# Altium PCB 769BI_LTDC.PcbDoc (part 2 of 3)
Units mm, origin at the board's own origin, x right, y up, seen from the top; angles counter-clockwise.
Board outline 99 x 99 mm, 4 copper layers (Top Layer, GND, VCC_3, Bottom Layer), stack 0.778 mm thick; 232 components, 260 nets, 952 pads, 515 vias.
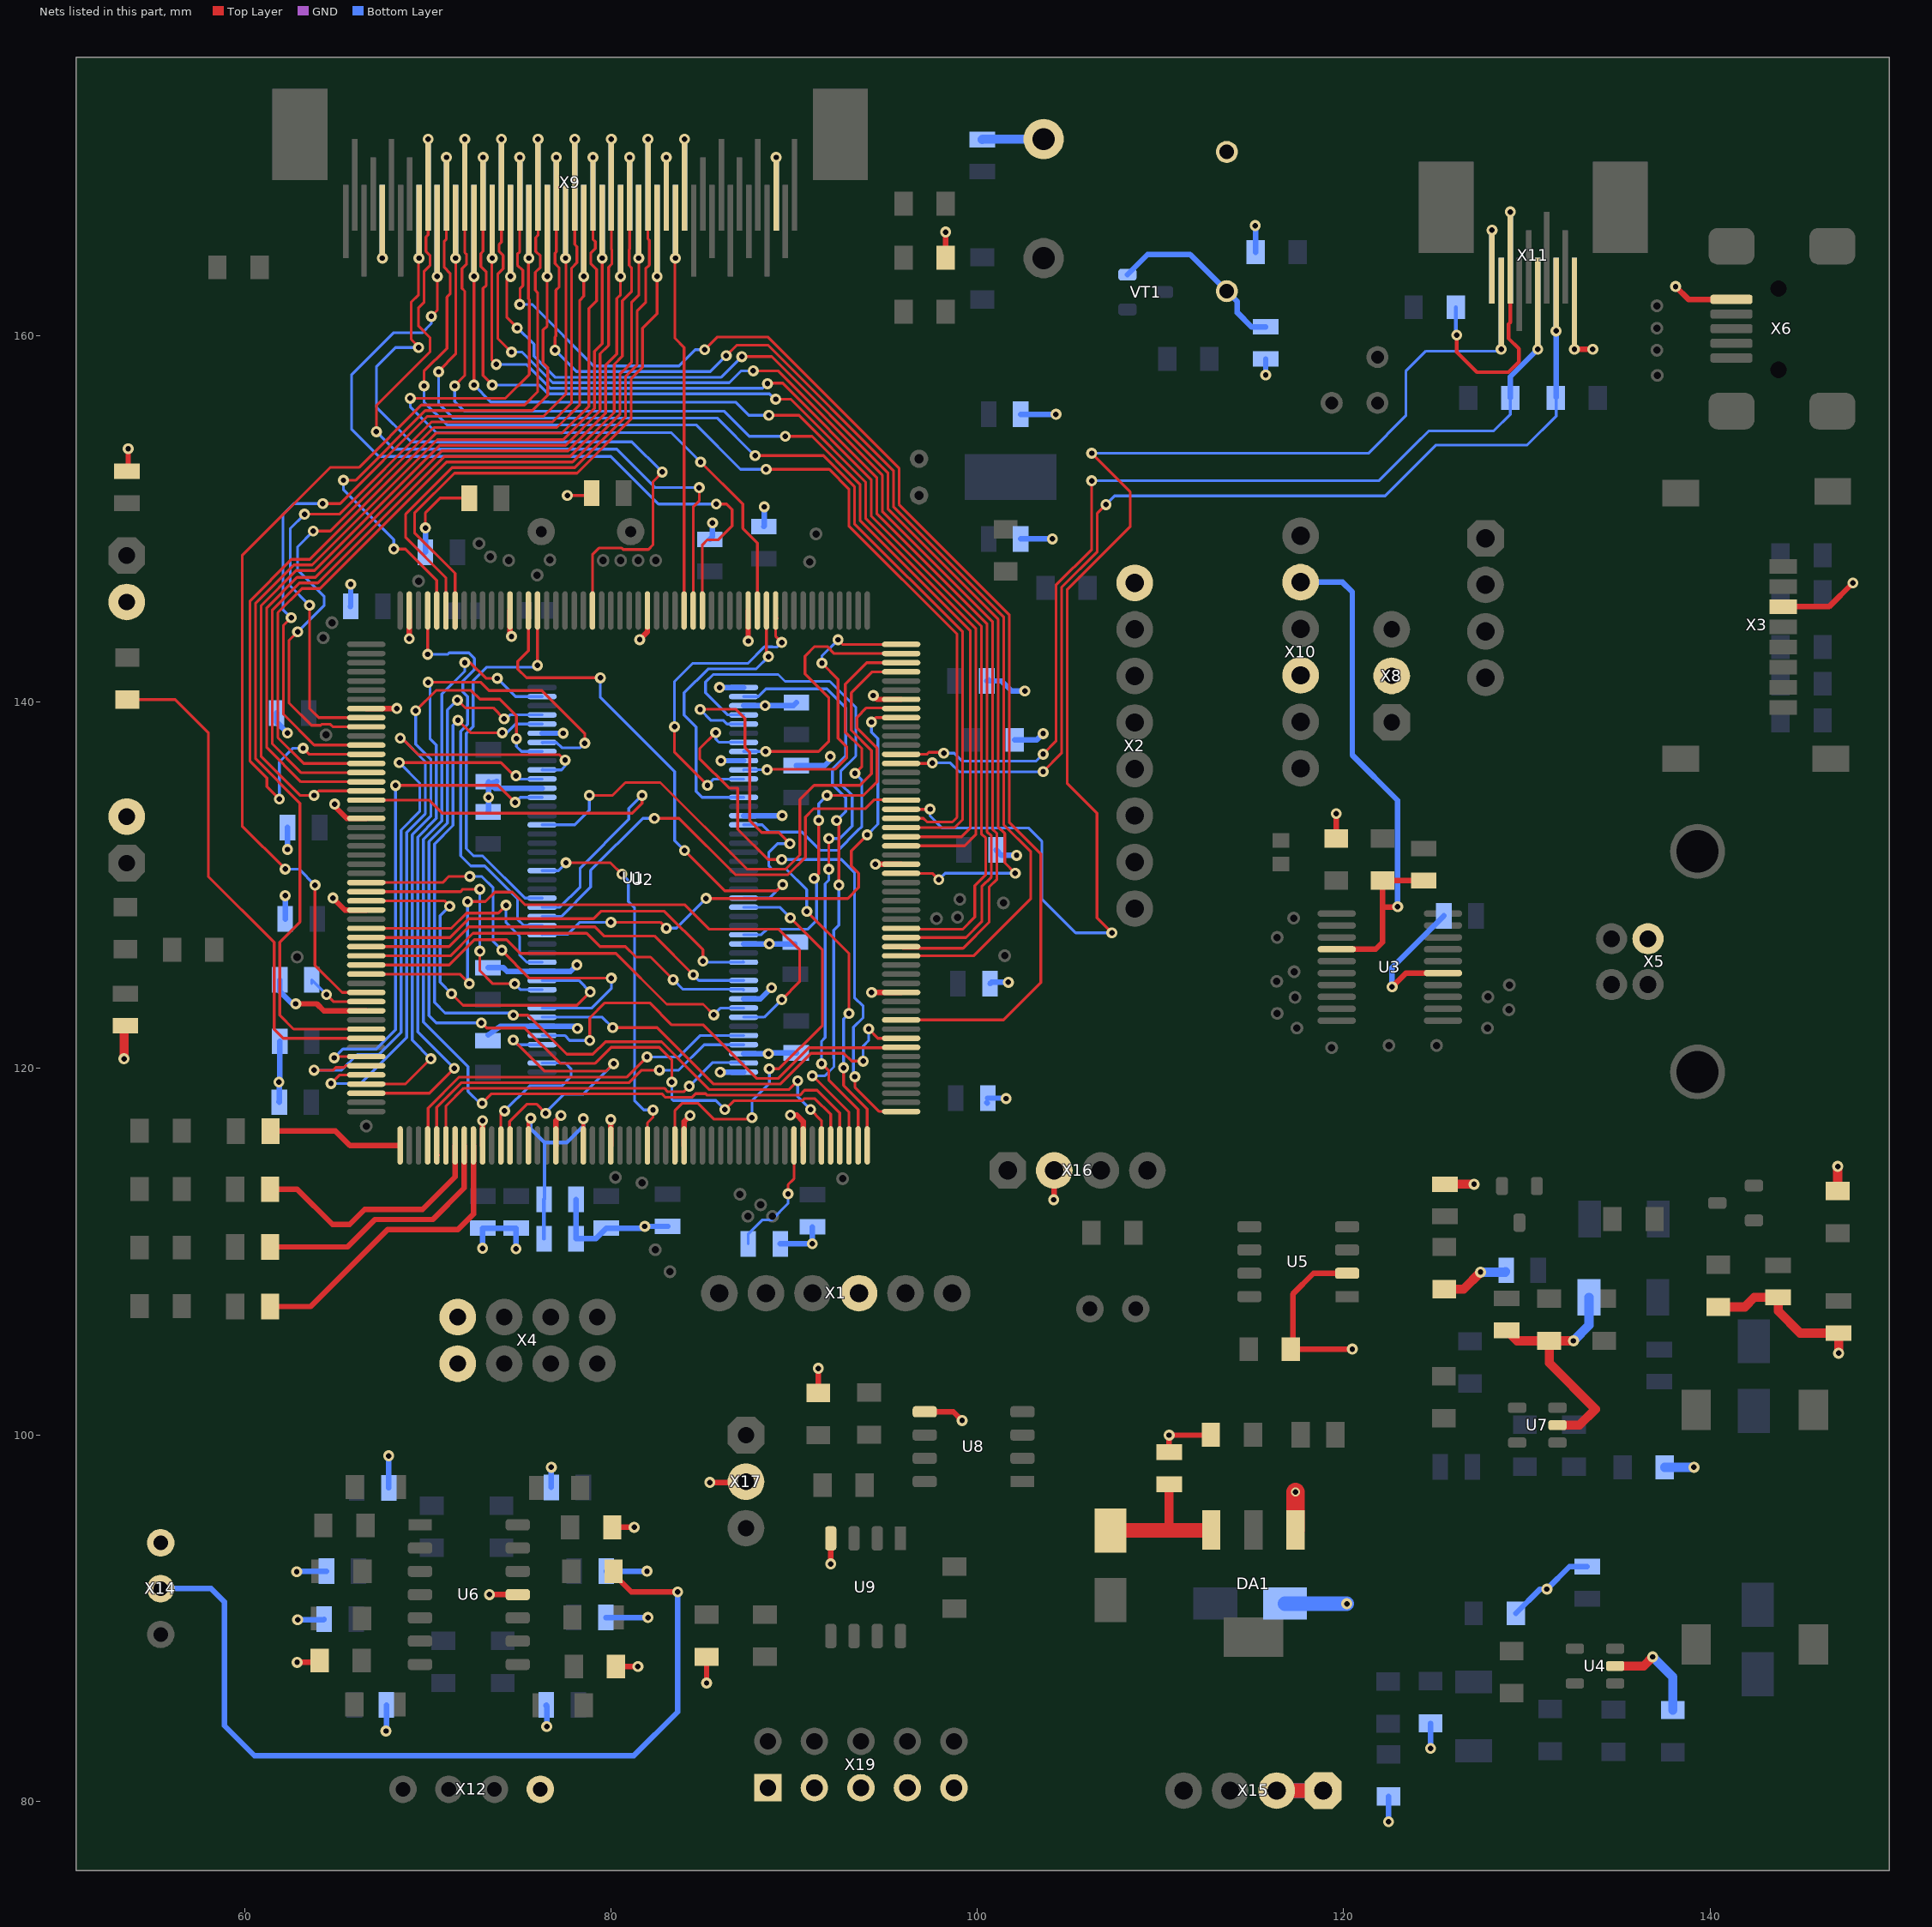
[diagram p4: the nets of this part, all layers, seen from the top]

## Via types
v1: diameter 0.6, hole 0.3, Top Layer to Bottom Layer, 509 vias
v2: diameter 3.5, hole 3.5, Top Layer to Bottom Layer, 4 vias
v3: diameter 0.5, hole 0.3, Top Layer to Bottom Layer, 2 vias

## Nets (pads, with @x,y where several pads share a name; then routed paths per layer and width w, separated by ;. In a path a pad name is that pad's centre, name@x,y a point inside that pad or via, vN(x,y) a via of type N, cw(c..) or ccw(c..) an arc to the next point about the centre after c; other vN are vias at no path point) (continued)
FMC_BA1: U1.132 U2.23 | length 20.7
  Top Layer w0.152: v1(77.551,131.225) 79.975,131.225 v1(80.6,130.6) ; U1.132@81.997,115.793 81.997,117.022 82.3,117.325 v1(82.3,117.725)
  Bottom Layer w0.152: U2.23@76.247,130.793 77.136,130.793 77.551,131.208 v1(77.551,131.225) ; v1(80.6,130.6) 80.95,130.25 80.95,129.1 81.3,128.75 81.3,118.223 81.798,117.725 v1(82.3,117.725)
FMC_D0: U1.116 U2.2 | length 8.5
  Top Layer w0.152: U1.116@73.997,115.793 73.997,117.472 v1(74.2,117.675)
  Bottom Layer w0.152: v1(74.2,117.675) 75.575,119.05 77.325,119.05 77.825,119.55 77.825,119.975 77.507,120.293 U2.2@76.247,120.293
FMC_D1: U1.117 U2.4 | length 16.8
  Top Layer w0.152: U1.117@74.497,115.793 74.472,115.818 74.472,117.097 75.425,118.05 75.94,118.05 v1(76.447,117.543) ; v1(74.672,121.543) 76.365,119.85 79.75,119.85 v1(80.15,120.25)
  Bottom Layer w0.152: v1(74.672,121.543) 74.922,121.293 U2.4@76.247,121.293 ; v1(76.447,117.543) 76.447,117.597 77.45,118.6 78.5,118.6 v1(80.15,120.25)
FMC_D2: U1.164 U2.5 | length 23.7
  Top Layer w0.152: v1(78.85,121.525) 78.85,122.75 79.675,123.575 82.125,123.575 83.325,122.375 85.05,122.375 87.978,119.447 89.121,119.447 90.803,121.129 95.809,121.129 95.821,121.117 U1.164@95.847,121.143
  Bottom Layer w0.152: U2.5@76.247,121.793 77.482,121.793 77.75,121.525 v1(78.85,121.525)
FMC_D3: U1.165 U2.7 | length 23.8
  Top Layer w0.152: v1(80.1,122.225) 82.529,122.225 85.611,119.143 89.25,119.143 ; 89.248,119.144 90.929,120.825 92.715,120.825 93.147,120.393 v1(93.772,120.393) ; v1(94.075,122.15) 94.582,121.643 U1.165@95.847,121.643
  Bottom Layer w0.152: U2.7@76.247,122.793 79.532,122.793 v1(80.1,122.225) ; v1(93.772,120.393) 93.772,121.218 94.075,121.521 v1(94.075,122.15)
FMC_D4: U1.79 U2.8 | length 22.3
  Top Layer w0.152: U1.79@66.647,130.143 70.818,130.143 71.15,130.475 v1(72.3,130.475) ; v1(74.05,126.45) 74.05,126.431 75.556,124.925 v1(80.025,124.925)
  Bottom Layer w0.152: v1(72.3,130.475) 72.953,130.475 73.575,129.853 73.575,126.925 v1(74.05,126.45) ; U2.8@76.247,123.293 78.968,123.293 80.025,124.35 v1(80.025,124.925)
FMC_D5: U1.80 U2.10 | length 14.5
  Top Layer w0.152: U1.80@66.647,129.643 71.793,129.643 71.925,129.775 v1(72.85,129.775) ; v1(72.85,126.4) 72.85,125.325 73.557,124.618 v1(74.747,124.618)
  Bottom Layer w0.152: v1(72.85,126.4) v1(72.85,129.775) ; v1(74.747,124.618) 75.072,124.293 U2.10@76.247,124.293
FMC_D6: U1.81 U2.11 | length 20.9
  Top Layer w0.152: U1.81@66.647,129.143 70.907,129.143 v1(71.2,128.85) ; v1(71.3,124.075) 71.932,123.443 78.143,123.443 v1(78.875,124.175)
  Bottom Layer w0.152: v1(71.2,128.85) 70.679,128.329 70.679,124.696 v1(71.3,124.075) ; U2.11@76.247,124.793 78.257,124.793 v1(78.875,124.175)
FMC_D7: U1.84 U2.13 | length 12.6
  Top Layer w0.152: U1.84@66.647,127.643 71.288,127.643 72.124,128.479 73.854,128.479 v1(74.275,128.9)
  Bottom Layer w0.152: v1(74.275,128.9) 74.275,127.95 75.022,127.203 75.022,126.175 75.404,125.793 U2.13@76.247,125.793
FMC_D8: U1.85 U2.74 | length 22.8
  Top Layer w0.152: U1.85@66.647,127.143 71.218,127.143 72.25,128.175 79.05,128.175 79.45,128.575 82.925,128.575 85.025,126.475 v1(85.025,125.85)
  Bottom Layer w0.152: v1(85.025,125.85) 85.082,125.793 U2.74@87.247,125.793 U2.74@87.216,125.824
FMC_D9: U1.86 U2.76 | length 22.3
  Top Layer w0.152: U1.86@66.647,126.643 71.163,126.643 72.245,127.725 79.125,127.725 79.625,127.225 82.375,127.225 v1(84.5,125.1)
  Bottom Layer w0.152: v1(84.5,125.1) 84.5,125.094 84.801,124.793 U2.76@87.247,124.793
FMC_D10: U1.87 U2.77 | length 22.4
  Top Layer w0.152: U1.87@66.647,126.143 71.238,126.143 72.47,127.375 78.676,127.375 79.401,126.65 80.793,126.65 81.368,126.075 82.164,126.075 v1(83.4,124.839)
  Bottom Layer w0.152: v1(83.4,124.839) 83.404,124.839 83.926,124.318 87.222,124.318 U2.77@87.247,124.293 U2.77@87.222,124.268
FMC_D11: U1.88 U2.79 | length 23
  Top Layer w0.152: U1.88@66.647,125.643 71.168,125.643 72.55,127.025 74.315,127.025 75.065,126.275 80.275,126.275 83.05,123.5 85.04,123.5 v1(85.622,122.918)
  Bottom Layer w0.152: v1(85.622,122.918) 85.997,123.293 U2.79@87.247,123.293
FMC_D12: U1.89 U2.80 | length 35.8
  Top Layer w0.152: U1.89@66.711,125.207 U1.89@66.647,125.143 71.757,125.143 v1(72.275,124.625) ; v1(72.175,129.1) 73.15,129.1 73.675,129.625 74.625,129.625 75.325,128.925 84.05,128.925 85.381,127.594 89.181,127.594 90.3,126.475 90.3,124.725 v1(89.325,123.75) v1@89.225,123.75
  Bottom Layer w0.152: v1(72.175,129.1) 72.175,124.725 v1(72.275,124.625) ; U2.80@87.247,122.793 88.368,122.793 v1(89.325,123.75)
FMC_D13: U1.108 U2.82 | length 20.9
  Top Layer w0.152: U1.108@69.997,115.793 70.022,115.818 70.022,117.825 71.722,119.525 80.875,119.525 v1(81.975,120.625)
  Bottom Layer w0.152: v1(81.975,120.625) 83.723,120.625 84.891,121.793 U2.82@87.247,121.793
FMC_D14: U1.109 U2.83 | length 20.8
  Top Layer w0.152: U1.109@70.6,115.25 70.497,115.353 U1.109@70.497,115.793 70.497,117.87 71.848,119.221 81.001,119.221 81.68,119.9 v1(82.65,119.9)
  Bottom Layer w0.152: v1(82.65,119.9) 83.705,119.9 85.098,121.293 U2.83@87.247,121.293
FMC_D15: U1.110 U2.85 | length 19.6
  Top Layer w0.152: U1.110@70.997,115.793 70.997,117.941 71.974,118.917 82.911,118.917 83.106,118.722 83.972,118.722 v1(84.275,119.025)
  Bottom Layer w0.152: v1(84.275,119.025) 85.571,120.321 87.219,120.321 U2.85@87.247,120.293
FMC_D16: U1.98 U2.31 | length 27.6
  Top Layer w0.152: v1(64.9,120.575) 64.968,120.643 U1.98@66.647,120.643 ; v1(68.247,135.443) 73.847,135.443 v1(74.772,134.518)
  Bottom Layer w0.152: v1(64.9,120.575) 65.375,121.05 67.2,121.05 68.247,122.097 v1(68.247,135.443) ; v1(74.772,134.518) 75.047,134.793 U2.31@76.247,134.793
FMC_D17: U1.99 U2.33 | length 32.4
  Top Layer w0.152: v1(63.8,119.9) 64.85,119.9 64.997,120.047 65.422,120.047 65.525,120.15 66.64,120.15 U1.99@66.647,120.143 ; v1(68.447,136.693) 73.997,136.693 74.772,135.918 v1(74.822,135.968)
  Bottom Layer w0.152: v1(63.8,119.9) 65.304,119.9 66.15,120.746 67.326,120.746 68.551,121.971 68.551,133.003 69.563,134.014 69.563,135.577 v1(68.447,136.693) ; v1(74.822,135.968) 74.997,135.793 U2.33@76.247,135.793
FMC_D18: U1.100 U2.34 | length 35.9
  Top Layer w0.152: v1(64.725,119.175) 65.193,119.643 U1.100@66.647,119.643 U1.100@66.6,119.596 ; v1(68.5,138.025) 68.59,138.025 69.497,137.118 77.197,137.118 77.49,136.825 v1(77.501,136.825)
  Bottom Layer w0.152: v1(64.725,119.175) 66.35,119.175 68.855,121.68 68.855,132.877 69.867,133.889 69.867,136.748 68.59,138.025 v1(68.5,138.025) ; U2.34@76.272,136.318 U2.34@76.247,136.293 77.304,136.293 77.501,136.49 v1(77.501,136.825)
FMC_D19: U1.101 U2.36 | length 34
  Top Layer w0.152: U1.101@66.647,119.143 68.772,119.143 70.154,120.525 v1(70.172,120.525) ; v1(69.347,139.518) 70.457,140.628 72.372,140.628 72.85,140.15 73.94,140.15 74.847,139.243 v1(74.847,137.993)
  Bottom Layer w0.152: v1(69.347,139.518) 69.347,137.698 70.171,136.874 70.171,133.763 69.159,132.751 69.159,121.554 69.151,121.546 v1(70.172,120.525) ; v1(74.847,137.993) 74.847,137.568 75.122,137.293 U2.36@76.247,137.293
FMC_D20: U1.102 U2.37 | length 40.7
  Top Layer w0.152: U1.102@66.647,118.643 70.093,118.643 v1(71.45,120) ; v1(70.025,141.075) 72.9,141.075 73.35,140.625 76.225,140.625 78.575,138.275 v1(78.575,137.75)
  Bottom Layer w0.152: v1(70.025,141.075) 70.125,140.975 70.125,137.999 70.475,137.649 70.475,133.637 69.463,132.625 69.463,121.987 v1(71.45,120) ; U2.37@76.275,137.765 U2.37@76.247,137.793 77.032,137.793 77.325,137.5 78.325,137.5 v1(78.575,137.75)
FMC_D21: U1.151 U2.39 | length 47.8
  Top Layer w0.152: v1(71.65,139) 72.332,138.318 v1(74.072,138.318) ; v1(74.675,122.9) 75.468,122.9 77.597,120.772 79.022,120.772 79.707,121.457 82.769,121.457 83.629,120.597 83.629,120.594 85.384,118.839 89.716,118.839 v1(90.201,119.324) ; v1(90.9,117.75) 91.497,117.153 U1.151@91.497,115.793
  Bottom Layer w0.152: v1(71.65,139) 71.387,138.737 71.387,133.259 70.375,132.247 70.375,123.6 70.95,123.025 74.55,123.025 v1(74.675,122.9) ; v1(74.072,138.318) 74.322,138.318 74.797,138.793 U2.39@76.247,138.793 ; v1@90.1,119.302 90.078,119.324 v1(90.201,119.324) 90.201,118.449 v1(90.9,117.75)
FMC_D22: U1.152 U2.40 | length 51.3
  Top Layer w0.152: v1(71.625,140.1) 72.05,139.675 73.576,139.675 v1(74.175,139.075) ; v1(72.929,122.481) 72.944,122.481 73.225,122.2 75.3,122.2 77.228,120.272 79.143,120.272 80.024,121.153 82.64,121.153 83.322,120.471 83.325,120.471 v1(83.325,119.25) ; v1(86.225,117.75) 86.706,118.231 90.436,118.231 90.55,118.345 91.145,118.345 91.997,117.493 U1.152@91.997,115.793
  Bottom Layer w0.152: v1(71.625,140.1) 71.083,139.558 71.083,133.385 70.071,132.373 70.071,122.879 70.469,122.481 v1(72.929,122.481) ; v1(74.175,139.075) 74.279,139.075 74.497,139.293 U2.40@76.247,139.293 ; v1(83.325,119.25) 83.325,118.325 83.4,118.25 85.725,118.25 v1(86.225,117.75)
FMC_D23: U1.153 U2.42 | length 53.7
  Top Layer w0.152: v1(72.025,142.15) 72.325,142.15 73.185,141.29 v1(73.8,141.29) ; v1(72.972,118.093) 73.492,118.613 82.785,118.613 82.98,118.418 84.415,118.418 84.621,118.624 85.169,118.624 85.258,118.535 90.31,118.535 90.576,118.801 91.264,118.801 92.497,117.568 U1.153@92.497,115.793
  Bottom Layer w0.152: v1(72.025,142.15) 72.025,141.675 70.779,140.429 70.779,133.511 69.767,132.499 69.767,122.533 72.197,120.103 72.197,118.744 72.848,118.093 v1(72.972,118.093) ; v1(73.8,141.29) 74.797,140.293 U2.42@76.247,140.293
FMC_D24: U1.154 U2.45 | length 32.8
  Top Layer w0.152: v1@91.009,119.605 92.997,117.617 U1.154@92.997,115.793 ; v1(92.325,133.525) 92.451,133.399 v1(92.451,130)
  Bottom Layer w0.152: U2.45@87.247,140.293 88.043,140.293 88.462,140.712 91.787,140.712 92.825,139.675 92.825,137.075 92.1,136.35 92.1,135.5 92.825,134.775 92.825,134.025 v1(92.325,133.525) ; v1(90.997,119.593) 91.689,119.593 92.177,120.081 92.177,120.555 92.172,120.561 92.172,127.543 92.451,127.822 v1(92.451,130)
FMC_D25: U1.155 U2.47 | length 38.7
  Top Layer w0.152: v1(91.5,120.25) 91.9,119.85 91.9,119.35 93.497,117.753 U1.155@93.497,115.793 ; v1@91.847,130.818 v1(91.897,130.868) 91.9,130.871 v1(91.9,132.55)
  Bottom Layer w0.152: U2.47@87.247,139.293 86.382,139.293 85.172,140.503 85.172,141.089 85.577,141.494 87.541,141.494 87.547,141.5 89.136,141.5 89.511,141.125 91.95,141.125 93.372,139.703 93.372,137.047 92.55,136.225 92.55,135.525 93.175,134.9 93.175,133.225 92.5,132.55 v1(91.9,132.55) ; v1(91.5,120.25) 91.5,121.475 91.703,121.678 91.703,130.078 91.897,130.272 v1(91.897,130.868)
FMC_D26: U1.156 U2.48 | length 34
  Top Layer w0.152: v1@84.875,139.6 v1(84.875,139.594) 84.881,139.6 86.825,139.6 87.325,139.1 87.325,137.5 87.575,137.25 87.575,133.525 88.225,132.875 89.165,132.875 v1(89.772,132.268) ; v1(90.697,128.568) 92.997,126.268 v1(92.997,122.993) ; v1(92.705,120.031) 92.705,119.077 92.701,119.074 93.997,117.778 U1.156@93.997,115.793
  Bottom Layer w0.152: v1(84.875,139.594) 85.476,138.993 86.147,138.993 86.347,138.793 U2.48@87.247,138.793 ; v1(89.772,132.268) 89.093,132.268 88.625,131.8 88.625,131.05 88.804,130.872 89.578,130.872 90.697,129.753 v1(90.697,128.568) ; v1(92.705,120.031) 92.705,122.694 92.701,122.697 v1(92.997,122.993)
FMC_D27: U1.157 U2.50 | length 31.3
  Top Layer w0.152: v1(85.725,138.325) 84.85,137.45 84.85,136.9 86.45,135.3 86.925,135.3 86.925,133.05 88.575,131.4 v1(89.326,131.4) ; v1(93.322,119.543) 93.322,118.978 94.657,117.643 U1.157@95.847,117.643
  Bottom Layer w0.152: v1(85.725,138.325) 85.725,137.975 85.9,137.8 87.24,137.8 U2.50@87.247,137.793 ; v1(89.326,131.4) 92.59,131.4 93.297,130.693 93.297,123.868 93.775,123.39 93.775,122.775 93.244,122.244 93.244,120.174 93.247,120.171 93.247,119.618 v1(93.322,119.543)
FMC_D28: U1.207 U2.51 | length 16.4
  Top Layer w0.152: v1(88.45,137.3) 91.338,137.3 91.9,137.862 91.9,140.225 90.597,141.528 90.597,142.497 91.125,143.025 91.811,143.025 92.193,142.643 U1.207@95.847,142.643
  Bottom Layer w0.152: U2.51@87.29,137.336 U2.51@87.247,137.293 ; U2.51@87.932,137.293 U2.51@87.247,137.293 ; v1(88.45,137.3) 88.443,137.293 U2.51@87.247,137.293
FMC_D29: U1.208 U2.53 | length 16.8
  Top Layer w0.152: v1(88.525,136.3) 88.554,136.329 92.254,136.329 92.875,136.95 92.875,137.55 92.4,138.025 92.4,141.24 v1(91.522,142.118) ; v1(92.397,143.393) 92.647,143.143 U1.208@95.847,143.143
  Bottom Layer w0.152: U2.53@87.247,136.293 v1(88.525,136.3) ; v1(91.522,142.118) 91.522,142.518 v1(92.397,143.393)
FMC_D30: U1.11 U2.54 | length 17.3
  Top Layer w0.152: v1(83.475,138.65) 83.475,137.25 v1(85.275,135.45) ; U1.11@88.95,144.696 U1.11@88.997,144.649 ; U1.11@88.997,144.993 U1.11@88.997,144.649 ; U1.11@89.075,144.571 U1.11@88.997,144.649 ; v1(89.325,143.25) 88.997,143.578 U1.11@88.997,144.649
  Bottom Layer w0.152: v1(83.475,138.65) 83.475,141.125 84.454,142.104 87.291,142.104 87.295,142.108 87.486,142.108 88.381,143.003 88.819,143.003 88.821,143.001 89.076,143.001 v1(89.325,143.25) ; v1(85.275,135.45) 85.618,135.793 U2.54@87.247,135.793
FMC_D31: U1.12 U2.56 | length 16.4
  Top Layer w0.152: U1.12@88.497,144.993 88.497,142.578 v1(88.6,142.475)
  Bottom Layer w0.152: U2.56@87.247,134.793 84.982,134.793 84.65,135.125 84.65,138.64 84,139.29 84,140.5 85.3,141.8 87.417,141.8 87.421,141.804 87.929,141.804 v1(88.6,142.475)
FMC_NBL0: U1.200 U2.16 | length 30.3
  Top Layer w0.152: v1(80,127.975) 82.701,127.975 v1(83.026,127.65) ; v1(85.201,129.275) 92.929,129.275 93.522,129.868 93.522,130.643 93.122,131.043 93.122,131.877 v1(93.988,132.743) ; v1(94.225,138.9) 94.468,139.143 U1.200@95.847,139.143
  Bottom Layer w0.152: U2.16@76.247,127.293 76.285,127.331 77.656,127.331 78.3,127.975 v1(80,127.975) ; v1(83.026,127.65) 83.576,127.65 v1(85.201,129.275) ; v1(93.988,132.743) 94.576,133.331 94.576,138 94.225,138.351 v1(94.225,138.9)
FMC_NBL1: U1.201 U2.71 | length 21.1
  Top Layer w0.152: v1@91.108,130.368 v1(91.097,130.368) 91.347,130.618 v1(91.347,133.543) ; v1(91.8,134.9) 93.793,134.9 94.533,135.64 94.533,137.477 93.429,138.581 93.429,139.154 93.953,139.678 95.812,139.678 U1.201@95.847,139.643
  Bottom Layer w0.152: U2.71@87.247,127.293 88.218,127.293 88.518,127.593 90.743,127.593 91.225,128.075 91.225,130.24 v1(91.097,130.368) ; v1(91.347,133.543) 91.347,134.447 v1(91.8,134.9)
FMC_NBL2: U1.205 U2.28 | length 33.4
  Top Layer w0.152: v1(78.825,134.9) 80.1,134.9 80.8,135.6 82.7,135.6 87.428,130.872 89.545,130.872 90.318,131.645 90.318,134.668 91.1,135.45 93.598,135.45 94.229,136.081 94.229,137.351 93.125,138.455 93.125,140.496 94.272,141.643 U1.205@95.847,141.643
  Bottom Layer w0.152: U2.28@76.247,133.293 78.026,133.293 78.825,134.092 v1(78.825,134.9)
FMC_NBL3: U1.206 U2.59 | length 19.6
  Top Layer w0.152: v1(93.325,136.1) 93.701,136.476 93.701,137.449 92.8,138.35 92.8,140.971 93.972,142.143 U1.206@95.847,142.143
  Bottom Layer w0.152: U2.59@87.247,133.293 88.257,133.293 88.65,132.9 90.44,132.9 91.44,131.9 92.403,131.9 93.46,132.958 93.46,132.962 93.701,133.203 93.701,135.724 v1(93.325,136.1)
FMC_SDCKE0: U1.38 U2.67 | length 28.4
  Top Layer w0.152: U1.38@75.497,144.993 75.497,142.793 74.922,142.218 74.922,141.793 75.397,141.318 v1(79.425,141.318) ; v1(84.025,131.89) 86.222,129.693 88.222,129.693 ; 88.272,129.693 88.222,129.693 ; v1(89.385,130.031) 89.047,129.693 88.222,129.693
  Bottom Layer w0.152: v1(79.425,141.318) 79.425,140.25 83.482,136.193 83.482,132.433 v1(84.025,131.89) ; U2.67@87.247,129.293 88.647,129.293 v1(89.385,130.031)
FMC_SDCLK: U1.135 U2.68 | length 23
  Top Layer w0.152: U1.135@83.497,115.793 83.497,117.697 83.897,118.097 84.753,118.097 85.628,117.222 87.621,117.222 v1(87.705,117.306) ; v1(88.65,119.975) 89.175,119.975 91.55,122.35 91.55,126.465 v1(89.797,128.218)
  Bottom Layer w0.152: U2.68@87.247,128.793 89.222,128.793 v1(89.797,128.218) ; v1(87.705,117.306) 87.705,118.23 88.65,119.175 v1(88.65,119.975)
FMC_SDNCAS: U1.191 U2.18 | length 26.6
  Top Layer w0.152: v1(82.375,133.65) 83.725,133.65 86.807,130.568 89.671,130.568 90.622,131.519 90.622,133.718 91.079,134.175 93.904,134.175 94.397,134.668 95.822,134.668 U1.191@95.847,134.643
  Bottom Layer w0.152: U2.18@76.247,128.293 77.297,128.293 78.9,129.896 78.9,130.808 81.742,133.65 v1(82.375,133.65)
FMC_SDNE0: U1.37 U2.20 | length 21.4
  Top Layer w0.152: v1(75.997,141.993) U1.37@75.997,144.993
  Bottom Layer w0.152: v1(75.997,141.993) 75.904,141.9 73.23,141.9 72.482,141.152 72.482,138.655 72.105,138.278 72.105,131.997 72.506,131.597 73.003,131.597 75.307,129.293 U2.20@76.247,129.293
FMC_SDNRAS: U1.70 U2.19 | length 24.9
  Top Layer w0.152: U1.70@66.647,134.643 70.073,134.643 70.791,133.925 81.161,133.925 81.7,134.464 v1(81.7,134.9)
  Bottom Layer w0.152: U2.19@76.247,128.793 77.218,128.793 78.325,129.9 78.325,130.94 80.979,133.594 80.979,134.179 v1(81.7,134.9)
FMC_SDNWE: U1.49 U2.17 | length 23.1
  Top Layer w0.152: U1.49@69.997,144.993 69.997,142.603 v1(70,142.6)
  Bottom Layer w0.152: v1(70,142.6) 71.1,142.6 71.178,142.678 72.244,142.678 72.553,142.369 72.553,141.773 71.925,141.145 71.925,140.547 72.178,140.294 72.178,138.781 71.801,138.404 71.801,131.599 72.354,131.046 73.124,131.046 74.9,129.27 74.9,128.15 75.257,127.793 U2.17@76.247,127.793
GND: BZ1.2 C1.1 C2.1 C3.1 C4.1 C5.1 C6.1 C7.1 C8.1 C9.2 C10.2 C11.2 C12.2 C13.2 C14.2 C15.2 C16.1 C17.1 C18.1 C19.2 C20.2 C21.2 C22.2 C23.2 C24.2 C25.2 C26.1 C27.1 C28.1 C29.1 C30.1 C31.2 C32.2 C33.2 C34.2 C35.2 C36.2 C37.2 C39.1 C40.2 C41.1 C42.1 C43.1 C45.1 C46.1 C48.1 C49.1 C50.1 C51.1 C52.1 C53.1 C54.1 C55.1 C56.1 C57.2 D2.2 DA1.1 R4.1 R9.2 R15.2 R17.1 R24.2 R25.2 R28.2 R42.1 R43.1 R44.1 R47.2 R49.2 R50.1 R51.1 R52.1 R55.1 R57.2 R62.2 R65.2 R72.2 SA1.2 U1.14 U1.25 U1.40 U1.51 U1.60 U1.72 U1.82 U1.93 U1.114 U1.122 U1.128 U1.136 U1.149 U1.170 U1.184 U1.202 U2.6 U2.12 U2.32 U2.38 U2.44 U2.46 U2.52 U2.58 U2.72 U2.78 U2.84 U2.86 U3.15 U4.2 U5.2 U6.11 U7.2 U8.5 U9.4 VD4.2 X1.3 X2.8 X3.6 X4.7 X4.8 X5.4 X6.5 X8.2 X9.5 X9.36 X9.38 X9.48 X10.3 X11.1 X11.10 X12.1 X14.3 X15.1 X15.2 X16.2 X17.2 X18.2 X19.1 X19.3 X19.5 X19.7 X19.9 X20.2 | length 233.3
  Top Layer w0.152: v1(69.875,149.5) 69.875,150.325 70.675,151.125 C2.1@72.275,151.125 ; v1(77.625,151.275) 78.825,151.275 C1.1@78.95,151.4
  Top Layer w0.3: C57.2@53.575,152.6 53.65,152.675 v1(53.65,153.825) ; v1(62.8,123.525) 63.95,123.525 64.332,123.143 U1.93@66.647,123.143 ; v1(62.875,87.575) 64,87.575 R47.2@64.1,87.675 ; v1(64.825,129.3) 65.482,128.643 U1.82@66.647,128.643 ; v1(64.925,134.425) 64.925,134.3 65.582,133.643 U1.72@66.647,133.643 ; U1.60@66.647,139.643 v1(68.318,139.643) ; v1(68.997,143.453) U1.51@68.997,144.993 ; U1.114@72.997,115.793 v1(72.997,117.147) ; v1(73.375,91.275) U6.11@74.917,91.275 ; U1.40@74.497,144.993 74.497,143.653 v1(74.575,143.575) ; U1.122@76.997,115.793 76.997,117.147 v1(77.275,117.425) ; U1.128@79.997,115.793 v1(79.997,117.203) ; R65.2@80.075,94.95 v1(81.275,94.95) ; R57.2@80.275,87.35 v1(81.475,87.35) ; v1(81.575,143.4) 81.997,143.822 U1.25@81.997,144.993 ; U1.136@83.997,115.793 83.997,117.097 v1(84.325,117.425) ; v1(85.225,86.45) R72.2@85.225,87.875 ; v1(85.4,97.4) 87.335,97.4 X17.2@87.375,97.44 ; v1@85.925,140.8 v1(85.932,140.793) ; v1@86,136.8 v1(86.007,136.793) ; U1.14@87.497,144.993 87.497,143.328 v1(87.5,143.325) ; v1(89.8,117.45) 90.15,117.45 90.497,117.103 U1.149@90.497,115.793 ; R62.2@91.325,102.275 v1(91.325,103.625) ; v1(92,92.95) 92.005,92.955 U9.4@92.005,94.347 ; v1(94.232,124.143) U1.170@95.847,124.143 ; v1(94.325,140.35) 94.532,140.143 U1.202@95.847,140.143 ; v1(94.443,131.143) U1.184@95.847,131.143 ; U8.5@97.133,101.255 98.695,101.255 v1(99.175,100.775) ; R15.2@98.275,164.25 v1(98.275,165.65) ; v1(104.175,112.825) 104.205,112.855 X16.2@104.205,114.425 ; C39.1@110.475,99.05 v1(110.475,99.975) 112.725,99.975 R55.1@112.75,100 ; R17.1@119.6,132.55 v1(119.6,133.9) ; U5.2@120.192,108.815 118.365,108.815 117.225,107.675 117.225,104.775 R28.2@117.125,104.675 v1(120.475,104.675) ; v1(122.65,124.45) 123.4,125.2 U3.15@125.425,125.2 ; v1(132.6,159.25) v1(133.6,159.25) ; v1(138.125,162.675) 138.825,161.975 X6.5@141.175,161.975 ; X3.6@144,145.2 146.5,145.2 v1(147.8,146.5)
  Top Layer w0.5: v1(53.425,120.525) 53.425,122.25 C54.1@53.5,122.325 ; R52.1@125.5,107.95 126.55,107.95 v1(127.475,108.875) ; C49.1@125.525,113.675 v1(127.125,113.675) ; C48.1@128.9,105.7 129.475,105.125 R51.1@131.225,105.125 ; U7.2@131.675,100.525 132.875,100.525 133.75,101.4 131.225,103.925 R51.1@131.225,105.125 ; v1(132.55,105.125) R51.1@131.225,105.125 ; U4.2@134.825,87.375 136.375,87.375 v1(136.875,87.875) ; R24.2@140.45,106.975 141.9,106.975 142.425,107.5 C41.1@143.725,107.5 143.725,106.75 144.925,105.55 C42.1@147.025,105.55 v1(147.025,104.45) ; R25.2@146.975,113.3 v1(146.975,114.65)
  Top Layer w0.8: X15.2@116.345,80.575 X15.1@118.885,80.575
  Top Layer w1: DA1.1@117.375,94.8 v3(117.375,96.875)
  GND w0.3: v1(68.997,143.453) v1@69,143.45 ; v1(72.997,117.147) v1@73,117.15 ; v1@94.2,124.175 v1(94.232,124.143) ; v1@94.275,140.35 v1(94.325,140.35)
  Bottom Layer w0.152: C25.2@100.525,141.15 C25.2@100.65,141.275
  Bottom Layer w0.3: C12.2@61.75,139.4 61.75,138.9 v1(62.35,138.3) ; C17.1@61.875,118.175 C17.1@61.9,118.15 61.9,119.225 v1(61.875,119.25) 61.925,119.3 C15.2@61.925,121.475 ; C28.1@61.925,124.825 61.925,124.2 62.6,123.525 v1(62.8,123.525) ; C14.2@62.225,128.15 v1(62.225,129.425) ; v1(62.35,131.95) C13.2@62.35,133.15 ; v1(62.85,92.525) 62.875,92.55 C46.1@64.475,92.55 ; v1(62.9,89.9) 64.322,89.9 C51.1@64.35,89.928 ; C11.2@65.775,145.2 C11.2@65.8,145.225 v1(65.8,146.425) ; v1(67.725,83.825) 67.75,83.85 C50.1@67.75,85.25 ; C45.1@67.875,97.1 v1(67.875,98.85) ; C10.2@69.875,148.175 v1(69.875,149.5) ; v1(73,110.175) C18.1@73,111.275 C19.2@74.825,111.275 v1(74.825,110.15) ; C33.2@73.269,135.518 C33.2@73.322,135.535 ; C31.2@73.297,121.818 73.972,122.293 U2.6@76.247,122.293 76.254,122.3 78.05,122.3 v1(78.175,122.175) ; C30.1@73.297,125.493 74.132,125.493 74.332,125.293 77.793,125.293 v1(78.15,125.65) ; C34.2@73.3,134 73.322,134.022 v1(73.322,134.797) C33.2@73.322,135.535 ; C33.2@73.778,135.669 73.777,135.673 C33.2@73.405,135.56 ; U2.32@76.247,135.293 73.672,135.293 C33.2@73.405,135.56 ; U2.38@76.247,138.293 v1(77.4,138.293) ; C52.1@76.475,85.25 76.453,85.228 76.5,85.182 v1(76.5,84.075) ; C55.1@76.75,97.125 v1(76.75,98.225) ; C27.1@78.1,112.847 C26.1@78.1,110.7 79.175,110.7 C20.2@79.75,111.275 81.75,111.275 v1(81.85,111.375) C21.2@83.1,111.375 ; C53.1@79.725,90.025 v1(82.025,90.025) ; C56.1@79.75,92.55 v1(81.975,92.55) ; C9.2@85.4,148.875 85.55,149.025 v1(85.55,149.775) ; v1(85.932,140.793) U2.44@87.247,140.793 ; v1(85.972,119.793) U2.86@87.247,119.793 ; v1(86.007,136.793) U2.52@87.247,136.793 ; U2.78@87.247,123.793 88.168,123.793 v1(88.775,124.4) ; U2.72@87.247,126.793 C35.2@90.047,126.793 ; U2.46@87.247,139.793 88.418,139.793 v1(88.425,139.8) 89.963,139.8 C36.2@90.131,139.968 ; U2.58@87.247,133.793 v1@89.35,133.793 ; U2.84@87.254,120.8 U2.84@87.247,120.793 88.593,120.793 v1(88.6,120.8) 88.643,120.843 C32.2@90.122,120.843 ; C8.1@88.35,149.575 88.375,149.6 v1(88.375,150.65) ; C29.1@89.25,110.425 v1(91,110.425) C6.1@91,111.35 ; C37.2@90.119,136.525 91.675,136.525 91.975,136.825 v1(91.975,137.025) ; C22.2@100.525,118.125 C22.2@100.55,118.1 ; C25.2@100.525,141.15 101.325,141.15 101.875,140.6 v1(102.6,140.6) ; C22.2@100.575,118.375 101.55,118.375 v1(101.575,118.35) ; C23.2@100.7,124.625 100.775,124.7 v1(101.7,124.7) ; C24.2@101.025,131.925 101.325,131.625 v1(102.15,131.625) ; R9.2@102.05,137.925 103.25,137.925 v1(103.6,138.275) ; C3.1@102.375,148.9 v1(104.1,148.9) ; C4.1@102.375,155.7 v1(104.3,155.7) ; v1(115.175,166) 115.2,165.975 R4.1@115.2,164.55 ; v1(115.75,157.85) C5.1@115.75,158.725 ; v1(122.45,78.875) R49.2@122.45,80.25 ; v1(122.65,124.45) 122.65,125.5 C7.1@125.475,128.325 ; R44.1@124.748,84.25 124.748,82.877 v1(124.75,82.875) ; R43.1@129.4,90.25 130.725,91.575 v1(131.1,91.575) 132.325,92.8 C43.1@133.3,92.8 ; C33.2@73.322,135.535 C33.2@73.322,135.643 C33.2@73.405,135.56 ; C33.2@73.322,135.535 73.352,135.544 C33.2@73.405,135.56
  Bottom Layer w0.5: C16.1@100.275,170.7 100.3,170.725 SA1.2@103.625,170.725 ; v1(127.475,108.875) 128.825,108.875 C40.2@128.85,108.9 ; v1(132.55,105.125) 133.4,105.975 D2.2@133.4,107.5 ; v1(136.875,87.875) 137.975,86.775 R42.1@137.975,84.975 ; R50.1@137.525,98.225 v1(139.125,98.225)
  Bottom Layer w0.8: X15.2@116.345,80.575 X15.1@118.885,80.575 ; VD4.2@116.8,90.781 120.169,90.781 v1(120.175,90.775)
  other v1: 88.65,126.793 89.35,133.8 67.525,164.225 128.1,165.75 83.025,169.725 89.025,169.725 84.025,170.725
I2C1_INT: U1.190 X11.9 | length 72
  Top Layer w0.152: U1.190@95.847,134.143 97.418,134.143 v1(97.425,134.15) ; v1(106.25,153.575) 108.35,151.475 108.35,149.565 104.908,146.123 104.908,135.567 106.542,133.933 106.542,128.208 v1(107.35,127.4)
  Bottom Layer w0.152: v1(97.425,134.15) 97.425,133.775 98.075,133.125 102.8,133.125 103.525,132.4 103.525,129.25 105.375,127.4 v1(107.35,127.4) ; v1(106.25,153.575) 121.35,153.575 123.4,155.625 123.4,158.05 124.5,159.15 128.5,159.15 v1(128.6,159.25)
I2C1_SCL: R19.1 U1.195 X11.3 | length 55.5
  Top Layer w0.152: U1.195@95.847,136.643 97.518,136.643 v1(97.55,136.675) ; v1(103.6,136.2) 104.604,137.204 104.604,146.249 106.554,148.199 106.554,150.304 v1(107.025,150.775)
  GND w0.152: v1(107.025,150.775) v1@107.05,150.8
  Bottom Layer w0.152: v1(97.55,136.675) 97.553,136.672 98.528,136.672 99.014,136.186 103.586,136.186 v1(103.6,136.2) ; v1(107.025,150.775) 107.5,151.25 122.275,151.25 125.05,154.025 130.025,154.025 131.6,155.6 R19.1@131.6,156.625
  Bottom Layer w0.3: R19.1@131.6,156.625 X11.3@131.6,160.5
  other v1: 131.6,160.25
I2C1_SDA: R20.1 U1.196 X11.5 | length 52.7
  Top Layer w0.152: U1.196@95.847,137.143 97.243,137.143 97.35,137.25 98.125,137.25 v1(98.175,137.2) ; v1(103.6,137.15) 104.3,137.85 104.3,146.375 106.25,148.325 v1(106.25,152.075)
  Bottom Layer w0.152: v1(98.175,137.2) 98.75,137.2 99.175,136.775 103.225,136.775 v1(103.6,137.15) ; v1(106.25,152.075) 121.925,152.075 123.881,154.031 124.644,154.794 128.194,154.794 129.1,155.7 R20.1@129.1,156.6
  Bottom Layer w0.3: R20.1@129.1,156.6 129.1,157.75 v1(130.6,159.25)
I2C1_WAKE: R22.1 X11.8 | length 12.5
  Top Layer w0.2: v1(126.175,160.025) 126.175,159.1 127.275,158 129,158 129.575,158.575 129.575,159.277 129.002,159.85 129.002,160.625 129.1,160.723 X11.8@129.1,164.25
  Bottom Layer w0.2: R22.1@126.125,161.55 126.125,160.075 v1(126.175,160.025)
  other v1: 129.1,166.75
LD: R71.2 U1.96 | length 28.1
  Top Layer w0.152: R71.2@53.6,140.125 56.225,140.125 58.025,138.325 58.025,130.475 61.621,126.879 61.621,122.129 62.107,121.643 U1.96@66.647,121.643
LED1: HL1.2 U1.105 | length 7.4
  Top Layer w0.3: HL1.2@61.425,116.575 64.975,116.575 65.757,115.793 U1.105@68.497,115.793
LED2: HL2.2 U1.111 | length 13.7
  Top Layer w0.3: HL2.2@61.4,113.4 62.875,113.4 64.8,111.475 65.739,111.475 66.564,112.3 69.725,112.3 71.497,114.072 U1.111@71.497,115.793
LED3: HL3.2 U1.112 | length 14.3
  Top Layer w0.3: HL3.2@61.4,110.25 65.625,110.25 67.125,111.75 70.275,111.75 71.997,113.472 U1.112@71.997,115.793
LED4: HL4.2 U1.113 | length 16.9
  Top Layer w0.3: HL4.2@61.4,107 63.611,107 67.811,111.2 71.65,111.2 72.497,112.047 U1.113@72.497,115.793
LTDC_B0: U1.183 X9.19 | length 59.2
  Top Layer w0.152: v1(74.525,163.225) 74.325,163.025 74.325,160.975 v1(74.888,160.412) ; v1(87.15,158.85) 88.785,158.85 95.124,152.511 95.124,150.536 101.138,144.522 101.138,133.182 101.5,132.82 101.5,131.225 v1(102.075,130.65) ; U1.183@95.847,130.643 97.557,130.643 v1(97.9,130.3)
  Bottom Layer w0.152: v1@74.9,160.425 75.8,159.525 75.8,158.875 76.95,157.725 86.025,157.725 v1(87.15,158.85) ; v1(97.9,130.3) 98.253,130.653 102.072,130.653 v1(102.075,130.65)
LTDC_B1: U1.175 X9.18 | length 65.9
  Top Layer w0.152: X9.18@74.025,168.225 74.025,165.1 73.903,164.978 73.903,164.594 74.126,164.371 74.126,163.65 73.825,163.349 73.825,159.85 v1(74.575,159.1) ; v1(87.775,158.075) 89.13,158.075 94.82,152.385 94.82,150.41 100.834,144.396 100.834,133.056 101.075,132.815 101.075,130.322 100.65,129.897 100.65,127.975 99.229,126.554 95.936,126.554 U1.175@95.847,126.643
  Bottom Layer w0.152: v1(74.575,159.1) 75.145,159.1 76.824,157.421 86.468,157.421 87.122,158.075 v1(87.775,158.075)
  other v1: 74.025,170.725
LTDC_B2: U1.176 X9.17 | length 61.3
  Top Layer w0.152: X9.17@73.504,164.225 73.504,158.671 v1(73.75,158.425) ; v1(88.55,157.375) 88.575,157.4 89.375,157.4 94.516,152.259 94.516,150.284 100.53,144.27 100.53,132.93 100.771,132.689 100.771,130.448 100.25,129.927 100.25,128.005 99.388,127.143 U1.176@95.847,127.143
  Bottom Layer w0.152: v1(73.75,158.425) 75.39,158.425 76.698,157.117 88.292,157.117 v1(88.55,157.375)
  other v1: 73.525,164.225
LTDC_B3: U1.177 X9.16 | length 64.8
  Top Layer w0.152: X9.16@73.025,167.725 73.025,164.6 72.907,164.482 72.907,163.768 73.2,163.475 73.2,162.75 73.025,162.575 73.025,157.817 73.525,157.317 v1(73.525,157.3) ; v1(89,156.525) 89.82,156.525 94.212,152.133 94.212,150.158 100.226,144.144 100.226,132.804 100.467,132.563 100.467,130.574 99.871,129.978 99.871,128.254 99.214,127.597 95.847,127.597 U1.177@95.847,127.643
  Bottom Layer w0.152: v1(73.525,157.3) 76.085,157.3 76.572,156.813 88.662,156.813 88.975,156.5 v1(89,156.525)
  other v1: 73.025,169.725
LTDC_B4: U1.186 X9.15 | length 55.6
  Top Layer w0.152: v1(72.525,157.3) v1(72.525,163.225) ; v1(88.625,155.65) 90.266,155.65 93.908,152.008 93.908,150.033 99.922,144.019 99.922,132.747 99.318,132.143 U1.186@95.847,132.143
  Bottom Layer w0.152: v1(72.525,157.3) 73.45,156.375 74.023,156.375 74.025,156.373 74.948,156.373 74.95,156.371 76.023,156.371 76.025,156.369 76.598,156.369 76.6,156.367 77.423,156.367 77.425,156.365 78.675,156.365 78.677,156.367 86.808,156.367 87.525,155.65 v1(88.625,155.65)
LTDC_B5: U1.187 X9.14 | length 61.5
  Top Layer w0.152: v1(71.475,157.25) 71.475,157.267 72.025,157.817 72.025,162.425 71.875,162.575 71.875,163.65 72.125,163.9 72.125,164.425 72.025,164.525 X9.14@72.025,168.225 ; v1(89.525,154.5) 90.985,154.5 93.604,151.881 93.604,149.907 99.618,143.893 99.618,133.118 99.143,132.643 U1.187@95.847,132.643
  Bottom Layer w0.152: v1(71.475,157.25) 71.475,156.4 72,155.875 86.175,155.875 87.55,154.5 v1(89.525,154.5)
  other v1: 72.025,170.725
LTDC_B6: U1.188 X9.13 | length 57.3
  Top Layer w0.152: v1(70.6,158.025) 70.6,158.068 71.528,158.997 X9.13@71.528,164.483 ; v1(87.875,153.45) 91.605,153.45 93.3,151.755 93.3,149.73 99.204,143.826 99.204,142.55 ; U1.188@95.847,133.143 98.768,133.143 99.2,133.575 99.2,142.55
  Bottom Layer w0.152: v1(70.6,158.025) 70.6,156.275 71.375,155.5 85.799,155.5 87.862,153.437 v1(87.875,153.45)
  other v1: 71.525,164.225
LTDC_B7: U1.189 X9.12 | length 60.9
  Top Layer w0.152: v1(69.8,157.25) 69.8,158.05 71.05,159.3 71.05,162.1 71.224,162.274 71.224,163.401 70.906,163.719 70.906,165.156 71.025,165.275 X9.12@71.025,167.725 ; v1(88.475,152.7) 91.925,152.7 92.996,151.629 92.996,149.604 98.9,143.7 98.896,143.696 98.896,133.701 98.642,133.447 97.264,133.447 97.068,133.643 U1.189@95.847,133.643
  Bottom Layer w0.152: v1(69.8,157.25) 69.8,156.375 71.05,155.125 84.65,155.125 87.075,152.7 v1(88.475,152.7)
  other v1: 71.025,169.725
LTDC_CLK: U1.21 X9.37 | length 22.2
  Top Layer w0.152: X9.37@83.5,166.975 83.5,159.85 83.997,159.353 U1.21@83.997,144.993
  other v1: 83.525,164.225
LTDC_DE: U1.31 X9.9 | length 38.3
  Top Layer w0.152: v1(69.5,159.35) 69.525,159.375 69.1,159.8 69.1,161.825 69.503,162.228 X9.9@69.503,164.483 ; U1.31@78.997,144.993 78.997,148.047 79.35,148.4 80.597,148.4 80.675,148.322 82.047,148.322 82.3,148.575 82.3,152.025 82.8,152.525 v1(82.8,152.55)
  GND w0.152: v1@82.775,152.575 v1(82.8,152.55)
  Bottom Layer w0.152: v1(69.5,159.35) 68.25,159.35 67.2,158.3 67.2,156.1 69.1,154.2 81.15,154.2 v1(82.8,152.55)
  other v1: 69.525,164.225
LTDC_G0: U1.62 X9.27 | length 43
  Top Layer w0.152: v1(62.9,143.825) 62.43,143.355 62.43,139.945 63.65,138.725 64.158,138.725 64.211,138.778 64.689,138.778 64.824,138.643 U1.62@66.647,138.643 ; v1(63.75,149.325) 64.68,149.325 70.337,154.982 77.057,154.982 78.3,156.225 78.3,161.925 78.525,162.15 v1(78.525,163.225) X9.27@78.525,165.725 X9.27@78.5,165.7
  Bottom Layer w0.152: v1(62.9,143.825) 64.35,145.275 64.35,145.75 62.9,147.2 62.9,148.475 v1(63.75,149.325)
LTDC_G1: U1.61 X9.26 | length 42.6
  Top Layer w0.152: v1(63.275,150.25) 65.175,150.25 70.211,155.286 76.811,155.286 77.855,156.33 77.855,163.683 78.147,163.975 78.147,164.853 78.025,164.975 X9.26@78.025,166.975 ; v1(63.55,145.275) 63.55,144.872 63.553,144.869 63.553,144.431 63.55,144.428 63.55,139.65 64.057,139.143 U1.61@66.647,139.143
  Bottom Layer w0.152: v1(63.275,150.25) 62.5,149.475 62.5,146.325 v1(63.55,145.275)
  other v1: 78.025,170.725
LTDC_G2: U1.64 X9.25 | length 42.3
  Top Layer w0.152: v1(62.55,144.6) 62.126,144.176 62.126,139.324 63.807,137.643 U1.64@66.647,137.643 ; v1(64.275,150.825) 65.218,150.825 69.983,155.59 76.315,155.59 77.551,156.826 X9.25@77.551,164.449 ; X9.25@77.504,164.483 X9.25@77.517,164.483
  Bottom Layer w0.152: v1(62.55,144.6) 62.1,145.05 62.1,150.225 62.7,150.825 v1(64.275,150.825)
  other v1: 77.525,164.225
LTDC_G3: U1.174 X9.24 | length 66
  Top Layer w0.152: v1(76.95,159.2) 76.95,159.925 77,159.975 77,162.475 77.175,162.65 77.175,163.7 76.95,163.925 76.95,164.5 77.025,164.575 X9.24@77.025,167.725 ; v1(86.3,158.9) 86.875,159.475 88.59,159.475 95.428,152.637 95.428,150.662 101.442,144.648 101.442,133.308 102.925,131.825 102.925,129.275 99.793,126.143 U1.174@95.847,126.143
  Bottom Layer w0.152: v1(76.95,159.2) 78.117,158.033 85.433,158.033 v1(86.3,158.9)
  other v1: 77.025,169.725
LTDC_G4: U1.48 X9.23 | length 31.8
  Top Layer w0.152: v1(65.4,152.1) 66.063,152.1 69.867,155.904 75.698,155.904 75.7,155.906 75.706,155.906 76.55,156.75 76.55,158.25 76.303,158.497 76.303,160.303 76.525,160.525 X9.23@76.525,165.725 ; v1(68.15,148.35) 68.78,148.35 70.497,146.633 U1.48@70.497,144.993
  Bottom Layer w0.152: v1(65.4,152.1) 65.4,151.6 68.15,148.85 v1(68.15,148.35)
  other v1: 76.525,163.225
LTDC_G5: U1.91 X9.22 | length 59.3
  Top Layer w0.152: v1(62.225,130.875) 59.875,133.225 59.875,148 64.675,152.8 66.25,152.8 69.658,156.208 75.283,156.208 75.999,156.924 75.999,162.35 75.875,162.474 75.875,163.453 76.147,163.725 76.147,164.35 75.903,164.594 75.903,165.35 76.025,165.472 X9.22@76.025,168.225 ; v1(63.85,130) 63.85,125.625 65.332,124.143 U1.91@66.647,124.143
  Bottom Layer w0.152: v1(62.225,130.875) 62.975,130.875 v1(63.85,130)
  other v1: 76.025,170.725
LTDC_G6: U1.13 X9.21 | length 40.6
  Top Layer w0.152: v1(69.05,156.575) 74.25,156.575 75.553,157.878 75.553,161.961 75.504,162.011 X9.21@75.504,164.483 ; v1(84.9,153.1) 87.2,150.8 87.2,149.475 87.997,148.678 U1.13@87.997,144.993
  Bottom Layer w0.152: v1(69.05,156.575) 69.05,156.125 70.475,154.7 83.3,154.7 v1(84.9,153.1)
  other v1: 75.525,164.225
LTDC_G7: U1.167 X9.20 | length 71.8
  Top Layer w0.152: v1(75.025,161.7) 75.05,161.725 75.05,162.575 75.2,162.725 75.2,163.553 74.903,163.85 74.903,164.45 75.025,164.572 X9.20@75.025,167.725 ; v1(85.125,159.225) 85.825,159.925 88.57,159.925 95.732,152.763 95.732,150.788 101.746,144.774 101.746,133.434 103.475,131.705 103.475,124.675 101.443,122.643 U1.167@95.847,122.643
  Bottom Layer w0.152: v1(75.025,161.7) 75.7,161.7 79.063,158.337 83.712,158.337 84.6,159.225 v1(85.125,159.225)
  other v1: 75.025,169.725
LTDC_HSYNC: U1.19 X9.11 | length 40.3
  Top Layer w0.152: v1(70.2,161.05) 70.528,161.378 v1@70.528,163.225 ; U1.19@84.997,144.993 84.997,148.575 85.272,148.85 85.875,148.85 86.625,149.6 86.625,150.5 86.325,150.8 v1(85.75,150.8)
  Bottom Layer w0.152: v1(70.2,161.05) 70.2,160.65 69.7,160.15 68.125,160.15 65.85,157.875 65.85,154.875 67.325,153.4 80,153.4 82.6,150.8 v1(85.75,150.8)
  other v1: 70.525,163.225
LTDC_R0: U1.46 X9.35 | length 28.6
  Top Layer w0.152: U1.46@71.497,144.993 71.497,147.023 69.285,149.235 69.285,150.31 71.463,152.488 78.157,152.488 81.102,155.433 81.102,156.51 81.104,156.512 81.104,157.639 81.733,158.268 81.733,160.408 82.525,161.2 v1(82.525,163.225)
LTDC_R1: U1.47 X9.34 | length 32.4
  Top Layer w0.152: U1.47@70.997,144.993 70.997,146.778 68.8,148.975 68.8,150.255 71.337,152.792 78.031,152.792 80.798,155.559 80.798,156.725 80.8,156.727 80.8,157.765 81.429,158.394 81.429,161.329 81.9,161.8 81.9,163.65 82.1,163.85 82.1,165.2 82.025,165.275 X9.34@82.025,166.975
  other v1: 82.025,170.725
LTDC_R2: U1.66 X9.33 | length 44.6
  Top Layer w0.152: U1.66@66.647,136.643 63.232,136.643 61.822,138.053 61.822,144.872 63.142,146.192 64.127,146.192 71.03,153.096 77.905,153.096 80.494,155.685 80.494,157.725 80.496,157.727 80.496,157.89 80.931,158.325 80.931,158.334 81.125,158.528 81.125,161.8 81.525,162.2 X9.33@81.525,164.475
  other v1: 81.525,164.225
LTDC_R3: U1.67 X9.32 | length 47.8
  Top Layer w0.152: U1.67@66.647,136.143 63.082,136.143 61.518,137.707 61.518,145.017 62.998,146.496 64.001,146.496 70.905,153.4 77.78,153.4 80.179,155.8 80.179,158.422 80.631,158.874 80.631,161.899 81.125,162.393 81.125,163.7 80.997,163.828 80.997,164.694 81.025,164.722 X9.32@81.025,166.975
  other v1: 81.025,169.725
LTDC_R4: U1.68 X9.31 | length 44.5
  Top Layer w0.152: U1.68@66.647,135.643 63.082,135.643 61.214,137.511 61.214,145.142 62.872,146.8 63.875,146.8 70.779,153.704 77.654,153.704 79.716,155.766 79.716,158.389 80.327,159 80.327,162.025 80.525,162.223 v1(80.525,163.225)
LTDC_R5: U1.69 X9.30 | length 49.2
  Top Layer w0.152: U1.69@66.647,135.143 64.043,135.143 v1(63.8,134.9) 63.03,134.9 60.91,137.02 60.91,145.268 62.817,147.175 63.82,147.175 70.653,154.008 77.528,154.008 79.412,155.892 79.412,159.007 79.875,159.47 79.875,163.725 80.053,163.903 80.053,164.694 80.025,164.722 X9.30@80.025,166.975
  other v1: 80.025,170.725
LTDC_R6: U1.95 X9.29 | length 60.6
  Top Layer w0.152: U1.95@66.647,122.143 62.682,122.143 61.925,122.9 61.925,126.888 63.025,127.988 63.025,134.475 60.606,136.894 60.606,145.394 62.691,147.479 63.694,147.479 70.529,154.314 70.85,154.314 ; 70.724,154.312 77.402,154.312 79.108,156.018 79.108,159.133 79.525,159.55 X9.29@79.525,164.475
  other v1: 79.525,164.225
LTDC_R7: U1.65 X9.28 | length 53.6
  Top Layer w0.152: v1(61.9,134.7) 61.225,135.375 61.225,135.845 60.302,136.768 60.302,145.52 62.565,147.783 63.568,147.783 70.463,154.678 77.338,154.678 78.804,156.144 78.804,161.479 79.221,161.896 79.221,163.607 78.903,163.925 78.903,164.5 79.147,164.744 79.147,165.125 79.025,165.247 X9.28@79.025,167.725 ; v1(63.2,137.475) 63.532,137.143 U1.65@66.647,137.143
  Bottom Layer w0.152: v1(61.9,134.7) 61.9,136.725 62.65,137.475 v1(63.2,137.475)
  other v1: 79.025,169.725
LTDC_VSYNC: U1.20 X9.10 | length 41.1
  Top Layer w0.152: v1(67.2,154.75) 67.2,156.175 70.125,159.1 70.125,159.896 69.5,160.521 69.5,161.525 69.807,161.832 69.807,163.507 70.125,163.825 70.125,164.375 69.903,164.597 69.903,165.375 70.025,165.497 X9.10@70.025,168.225 ; U1.20@84.497,144.993 84.497,150.647 84.825,150.975 v1(84.825,151.7)
  Bottom Layer w0.152: v1(67.2,154.75) 68.15,153.8 80.325,153.8 82.425,151.7 v1(84.825,151.7)
  other v1: 70.025,170.725
LUX: R69.2 X14.2 | length 47.6
  Top Layer w0.3: R69.2@80,92.55 81.125,91.425 v1(83.65,91.425)
  Bottom Layer w0.3: X14.2@55.425,91.6 58.175,91.6 58.9,90.875 58.9,84.125 60.55,82.475 81.25,82.475 83.65,84.875 v1(83.65,91.425)
NetBZ1_1: BZ1.1 C5.2 VT1.2 | length 10
  Bottom Layer w0.3: VT1.2@108.2,163.325 109.3,164.425 111.625,164.425 BZ1.1@113.625,162.425 114.2,161.85 114.2,161.25 114.975,160.475 C5.2@115.75,160.475
NetC26_2: C26.2 C27.2 U1.119 U1.125 | length 12.8
  Top Layer w0.2: U1.119@75.497,115.793 75.497,117.147 v1(75.625,117.275) ; U1.125@78.497,115.793 78.497,117.247 v1(78.5,117.25)
  Bottom Layer w0.2: v1(75.625,117.275) 75.625,116.7 76.375,115.95 ; C26.2@76.35,110.7 C27.2@76.35,112.847 76.375,112.872 76.375,115.95 ; v1(78.5,117.25) 78.5,116.85 77.6,115.95 76.375,115.95
NetC28_2: C28.2 U1.92 | length 3.7
  Top Layer w0.152: v1(64.475,124.025) 64.857,123.643 U1.92@66.647,123.643 U1.92@66.64,123.65
  Bottom Layer w0.152: C28.2@63.675,124.625 C28.2@63.675,124.825 v1(64.475,124.025)
NetC29_2: C29.2 U1.148 | length 6.7
  Top Layer w0.152: v1(89.675,113.15) 89.675,113.65 89.997,113.972 U1.148@89.997,115.793
  Bottom Layer w0.152: C29.2@87.5,110.425 87.5,110.975 88.25,111.725 88.775,111.725 89.675,112.625 v1(89.675,113.15)
NetC38_2: C38.2 R18.2 U3.4 X10.5 | length 30.4
  Top Layer w0.3: U3.4@119.625,126.5 121.75,126.5 122.125,126.875 122.125,128.8 ; v1(122.95,128.825) 122.925,128.8 122.125,128.8 ; C38.2@124.375,130.25 R18.2@122.125,130.25 122.125,128.8
  Bottom Layer w0.3: X10.5@117.65,146.535 119.94,146.535 120.475,146 120.475,137.1 122.95,134.625 v1(122.95,128.825)
NetC39_2: C39.2 DA1.3 VD1.1 | length 8
  Top Layer w0.5: 110.475,94.775 C39.2@110.475,97.3
  Top Layer w0.8: VD1.1@107.275,94.775 110.475,94.775 112.75,94.775 DA1.3@112.775,94.8